# Altium PCB POT 10x8.PcbDoc (part 1 of 4) (continued)
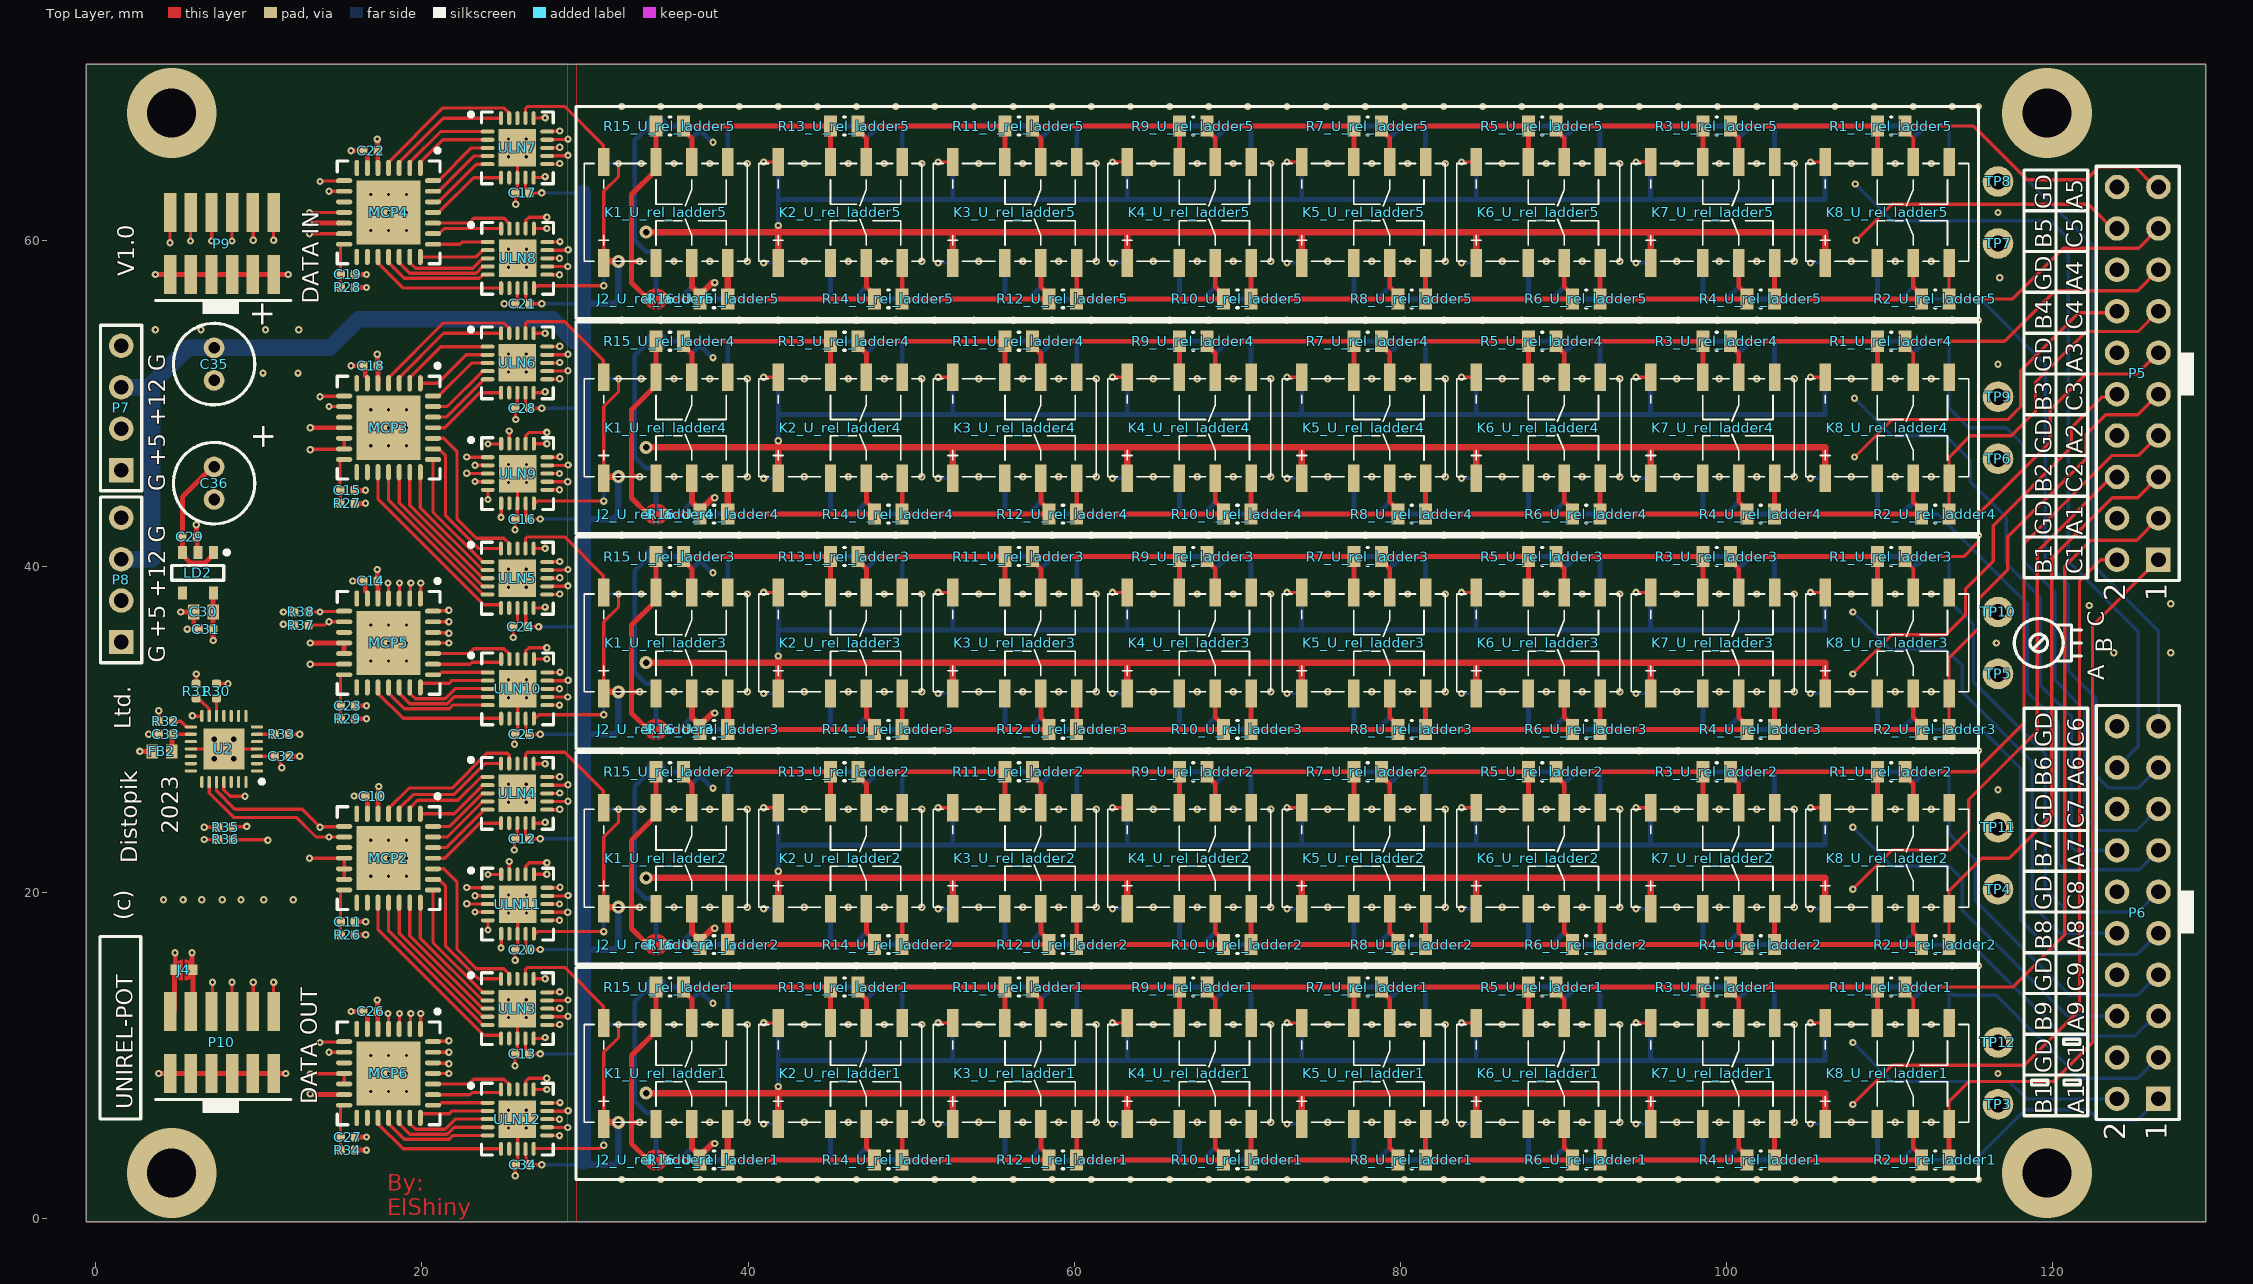
[diagram p0: Top Layer view]
## Classes and differential pairs
channel class rel_ladder: U_rel_ladder1 U_rel_ladder2 U_rel_ladder3 U_rel_ladder4 U_rel_ladder5 U_rel_ladder6 U_rel_ladder7 U_rel_ladder8 U_rel_ladder9 U_rel_ladder10
component class U_rel_ladder10: J2_U_rel_ladder10 K1_U_rel_ladder10 K2_U_rel_ladder10 K3_U_rel_ladder10 K4_U_rel_ladder10 K5_U_rel_ladder10 K6_U_rel_ladder10 K7_U_rel_ladder10 K8_U_rel_ladder10 R1_U_rel_ladder10 R2_U_rel_ladder10 R3_U_rel_ladder10 R4_U_rel_ladder10 R5_U_rel_ladder10 R6_U_rel_ladder10 R7_U_rel_ladder10 R8_U_rel_ladder10 R9_U_rel_ladder10 R10_U_rel_ladder10 R11_U_rel_ladder10 R12_U_rel_ladder10 R13_U_rel_ladder10 R14_U_rel_ladder10 R15_U_rel_ladder10 R16_U_rel_ladder10
component class U_rel_ladder9: J2_U_rel_ladder9 K1_U_rel_ladder9 K2_U_rel_ladder9 K3_U_rel_ladder9 K4_U_rel_ladder9 K5_U_rel_ladder9 K6_U_rel_ladder9 K7_U_rel_ladder9 K8_U_rel_ladder9 R1_U_rel_ladder9 R2_U_rel_ladder9 R3_U_rel_ladder9 R4_U_rel_ladder9 R5_U_rel_ladder9 R6_U_rel_ladder9 R7_U_rel_ladder9 R8_U_rel_ladder9 R9_U_rel_ladder9 R10_U_rel_ladder9 R11_U_rel_ladder9 R12_U_rel_ladder9 R13_U_rel_ladder9 R14_U_rel_ladder9 R15_U_rel_ladder9 R16_U_rel_ladder9
component class U_rel_ladder8: J2_U_rel_ladder8 K1_U_rel_ladder8 K2_U_rel_ladder8 K3_U_rel_ladder8 K4_U_rel_ladder8 K5_U_rel_ladder8 K6_U_rel_ladder8 K7_U_rel_ladder8 K8_U_rel_ladder8 R1_U_rel_ladder8 R2_U_rel_ladder8 R3_U_rel_ladder8 R4_U_rel_ladder8 R5_U_rel_ladder8 R6_U_rel_ladder8 R7_U_rel_ladder8 R8_U_rel_ladder8 R9_U_rel_ladder8 R10_U_rel_ladder8 R11_U_rel_ladder8 R12_U_rel_ladder8 R13_U_rel_ladder8 R14_U_rel_ladder8 R15_U_rel_ladder8 R16_U_rel_ladder8
component class U_rel_ladder7: J2_U_rel_ladder7 K1_U_rel_ladder7 K2_U_rel_ladder7 K3_U_rel_ladder7 K4_U_rel_ladder7 K5_U_rel_ladder7 K6_U_rel_ladder7 K7_U_rel_ladder7 K8_U_rel_ladder7 R1_U_rel_ladder7 R2_U_rel_ladder7 R3_U_rel_ladder7 R4_U_rel_ladder7 R5_U_rel_ladder7 R6_U_rel_ladder7 R7_U_rel_ladder7 R8_U_rel_ladder7 R9_U_rel_ladder7 R10_U_rel_ladder7 R11_U_rel_ladder7 R12_U_rel_ladder7 R13_U_rel_ladder7 R14_U_rel_ladder7 R15_U_rel_ladder7 R16_U_rel_ladder7
component class U_rel_ladder6: J2_U_rel_ladder6 K1_U_rel_ladder6 K2_U_rel_ladder6 K3_U_rel_ladder6 K4_U_rel_ladder6 K5_U_rel_ladder6 K6_U_rel_ladder6 K7_U_rel_ladder6 K8_U_rel_ladder6 R1_U_rel_ladder6 R2_U_rel_ladder6 R3_U_rel_ladder6 R4_U_rel_ladder6 R5_U_rel_ladder6 R6_U_rel_ladder6 R7_U_rel_ladder6 R8_U_rel_ladder6 R9_U_rel_ladder6 R10_U_rel_ladder6 R11_U_rel_ladder6 R12_U_rel_ladder6 R13_U_rel_ladder6 R14_U_rel_ladder6 R15_U_rel_ladder6 R16_U_rel_ladder6
component class U_rel_ladder5: J2_U_rel_ladder5 K1_U_rel_ladder5 K2_U_rel_ladder5 K3_U_rel_ladder5 K4_U_rel_ladder5 K5_U_rel_ladder5 K6_U_rel_ladder5 K7_U_rel_ladder5 K8_U_rel_ladder5 R1_U_rel_ladder5 R2_U_rel_ladder5 R3_U_rel_ladder5 R4_U_rel_ladder5 R5_U_rel_ladder5 R6_U_rel_ladder5 R7_U_rel_ladder5 R8_U_rel_ladder5 R9_U_rel_ladder5 R10_U_rel_ladder5 R11_U_rel_ladder5 R12_U_rel_ladder5 R13_U_rel_ladder5 R14_U_rel_ladder5 R15_U_rel_ladder5 R16_U_rel_ladder5
component class U_rel_ladder4: J2_U_rel_ladder4 K1_U_rel_ladder4 K2_U_rel_ladder4 K3_U_rel_ladder4 K4_U_rel_ladder4 K5_U_rel_ladder4 K6_U_rel_ladder4 K7_U_rel_ladder4 K8_U_rel_ladder4 R1_U_rel_ladder4 R2_U_rel_ladder4 R3_U_rel_ladder4 R4_U_rel_ladder4 R5_U_rel_ladder4 R6_U_rel_ladder4 R7_U_rel_ladder4 R8_U_rel_ladder4 R9_U_rel_ladder4 R10_U_rel_ladder4 R11_U_rel_ladder4 R12_U_rel_ladder4 R13_U_rel_ladder4 R14_U_rel_ladder4 R15_U_rel_ladder4 R16_U_rel_ladder4
component class U_rel_ladder3: J2_U_rel_ladder3 K1_U_rel_ladder3 K2_U_rel_ladder3 K3_U_rel_ladder3 K4_U_rel_ladder3 K5_U_rel_ladder3 K6_U_rel_ladder3 K7_U_rel_ladder3 K8_U_rel_ladder3 R1_U_rel_ladder3 R2_U_rel_ladder3 R3_U_rel_ladder3 R4_U_rel_ladder3 R5_U_rel_ladder3 R6_U_rel_ladder3 R7_U_rel_ladder3 R8_U_rel_ladder3 R9_U_rel_ladder3 R10_U_rel_ladder3 R11_U_rel_ladder3 R12_U_rel_ladder3 R13_U_rel_ladder3 R14_U_rel_ladder3 R15_U_rel_ladder3 R16_U_rel_ladder3
component class U_rel_ladder2: J2_U_rel_ladder2 K1_U_rel_ladder2 K2_U_rel_ladder2 K3_U_rel_ladder2 K4_U_rel_ladder2 K5_U_rel_ladder2 K6_U_rel_ladder2 K7_U_rel_ladder2 K8_U_rel_ladder2 R1_U_rel_ladder2 R2_U_rel_ladder2 R3_U_rel_ladder2 R4_U_rel_ladder2 R5_U_rel_ladder2 R6_U_rel_ladder2 R7_U_rel_ladder2 R8_U_rel_ladder2 R9_U_rel_ladder2 R10_U_rel_ladder2 R11_U_rel_ladder2 R12_U_rel_ladder2 R13_U_rel_ladder2 R14_U_rel_ladder2 R15_U_rel_ladder2 R16_U_rel_ladder2
component class U_rel_ladder1: J2_U_rel_ladder1 K1_U_rel_ladder1 K2_U_rel_ladder1 K3_U_rel_ladder1 K4_U_rel_ladder1 K5_U_rel_ladder1 K6_U_rel_ladder1 K7_U_rel_ladder1 K8_U_rel_ladder1 R1_U_rel_ladder1 R2_U_rel_ladder1 R3_U_rel_ladder1 R4_U_rel_ladder1 R5_U_rel_ladder1 R6_U_rel_ladder1 R7_U_rel_ladder1 R8_U_rel_ladder1 R9_U_rel_ladder1 R10_U_rel_ladder1 R11_U_rel_ladder1 R12_U_rel_ladder1 R13_U_rel_ladder1 R14_U_rel_ladder1 R15_U_rel_ladder1 R16_U_rel_ladder1
component class "POT 10x8": C10 C11 C12 C13 C14 C15 C16 C17 C18 C19 C20 C21 C22 C23 C24 C25 C26 C27 C28 C29 C30 C31 C32 C33 C34 C35 C36 FB2 J4 LD2 MCP2 MCP3 MCP4 MCP5 MCP6 P5 P6 P7 P8 P9 P10 R26 R27 R28 R29 R30 R31 R32 R33 R34 R35 R36 R37 R38 TP3 TP4 TP5 TP6 TP7 TP8 TP9 TP10 TP11 TP12 U2 ULN3 ULN4 ULN5 ULN6 ULN7 ULN8 ULN9 ULN10 ULN11 ULN12

## Components (designator, comment, footprint, x,y, rotation, side; value= is the part's Value field where it differs from the comment)
C10 "100n" R1005_0402i_L 16.95,25.9 r0 top
C11 "100n" R1005_0402i_L 15.45,18.2 r180 top
C12 "100n" R1005_0402i_L 26.15,23.3 r180 top
C13 "100n" R1005_0402i_L 26.15,10.1 r180 top
C14 "100n" R1005_0402i_L 16.85,39.1 r0 top
C15 "100n" R1005_0402i_L 15.431,44.661 r180 top
C16 "100n" R1005_0402i_L 26.15,42.9 r180 top
C17 "100n" R1005_0402i_L 26.15,62.9 r180 top
C18 "100n" R1005_0402i_L 16.85,52.3 r0 top
C19 "100n" R1005_0402i_L 15.45,57.9 r180 top
C20 "100n" R1005_0402i_L 26.15,16.5 r180 top
C21 "100n" R1005_0402i_L 26.15,56.1 r180 top
C22 "100n" R1005_0402i_L 16.85,65.5 r0 top
C23 "100n" R1005_0402i_L 15.45,31.45 r180 top
C24 "100n" R1005_0402i_L 26.05,36.3 r180 top
C25 "100n" R1005_0402i_L 26.15,29.7 r180 top
C26 "100n" R1005_0402i_L 16.85,12.7 r0 top
C27 "100n" R1005_0402i_L 15.45,5 r180 top
C28 "100n" R1005_0402i_L 26.15,49.7 r180 top
C29 "100n" R1005_0402i_L 5.75,41.8 r0 top
C30 "1u" C1608_0603I_L 6.6,37.2 r180 top
C31 "100n" R1005_0402i_L 6.75,36.15 r180 top
C32 "100n" R1005_0402i_L 11.4,28.35 r0 top
C33 "100n" R1005_0402i_L 4.3,29.7 r180 top
C34 "100n" R1005_0402i_L 26.176,3.302 r180 top
C35 "220uF" "C AlElko 5x11 R2" 7.25,52.4 r90 top
C36 "220uF" "C AlElko 5x11 R2" 7.25,45.1 r90 top
FB2 "FERITTE BEAD" R1608_0603I_L 4.05,28.65 r0 top
J2_U_rel_ladder1 "JMP_mini" solderJumper 34.35,3.6 r180 top (schematic designator J2)
J2_U_rel_ladder2 "JMP_mini" solderJumper 34.35,16.8 r180 top (schematic designator J2)
J2_U_rel_ladder3 "JMP_mini" solderJumper 34.35,30 r180 top (schematic designator J2)
J2_U_rel_ladder4 "JMP_mini" solderJumper 34.35,43.2 r180 top (schematic designator J2)
J2_U_rel_ladder5 "JMP_mini" solderJumper 34.35,56.4 r180 top (schematic designator J2)
J2_U_rel_ladder6 "JMP_mini" solderJumper 34.35,67 r0 bottom (schematic designator J2)
J2_U_rel_ladder7 "JMP_mini" solderJumper 34.35,53.8 r0 bottom (schematic designator J2)
J2_U_rel_ladder8 "JMP_mini" solderJumper 34.35,40.6 r0 bottom (schematic designator J2)
J2_U_rel_ladder9 "JMP_mini" solderJumper 34.35,27.4 r0 bottom (schematic designator J2)
J2_U_rel_ladder10 "JMP_mini" solderJumper 34.35,14.2 r0 bottom (schematic designator J2)
J4 "Terminator" solderJumper 5.4,15.25 r0 top
K1_U_rel_ladder1 "DPDT" "AXICOM IM-G Relay" 34.95,8.9 r0 top (schematic designator K1)
K1_U_rel_ladder2 "DPDT" "AXICOM IM-G Relay" 34.95,22.1 r0 top (schematic designator K1)
K1_U_rel_ladder3 "DPDT" "AXICOM IM-G Relay" 34.95,35.3 r0 top (schematic designator K1)
K1_U_rel_ladder4 "DPDT" "AXICOM IM-G Relay" 34.95,48.5 r0 top (schematic designator K1)
K1_U_rel_ladder5 "DPDT" "AXICOM IM-G Relay" 34.95,61.7 r0 top (schematic designator K1)
K1_U_rel_ladder6 "DPDT" "AXICOM IM-G Relay" 34.95,61.7 r0 bottom (schematic designator K1)
K1_U_rel_ladder7 "DPDT" "AXICOM IM-G Relay" 34.95,48.5 r0 bottom (schematic designator K1)
K1_U_rel_ladder8 "DPDT" "AXICOM IM-G Relay" 34.95,35.3 r0 bottom (schematic designator K1)
K1_U_rel_ladder9 "DPDT" "AXICOM IM-G Relay" 34.95,22.1 r0 bottom (schematic designator K1)
K1_U_rel_ladder10 "DPDT" "AXICOM IM-G Relay" 34.95,8.9 r0 bottom (schematic designator K1)
K2_U_rel_ladder1 "DPDT" "AXICOM IM-G Relay" 45.65,8.9 r0 top (schematic designator K2)
K2_U_rel_ladder2 "DPDT" "AXICOM IM-G Relay" 45.65,22.1 r0 top (schematic designator K2)
K2_U_rel_ladder3 "DPDT" "AXICOM IM-G Relay" 45.65,35.3 r0 top (schematic designator K2)
K2_U_rel_ladder4 "DPDT" "AXICOM IM-G Relay" 45.65,48.5 r0 top (schematic designator K2)
K2_U_rel_ladder5 "DPDT" "AXICOM IM-G Relay" 45.65,61.7 r0 top (schematic designator K2)
K2_U_rel_ladder6 "DPDT" "AXICOM IM-G Relay" 45.65,61.7 r0 bottom (schematic designator K2)
K2_U_rel_ladder7 "DPDT" "AXICOM IM-G Relay" 45.65,48.5 r0 bottom (schematic designator K2)
K2_U_rel_ladder8 "DPDT" "AXICOM IM-G Relay" 45.65,35.3 r0 bottom (schematic designator K2)
K2_U_rel_ladder9 "DPDT" "AXICOM IM-G Relay" 45.65,22.1 r0 bottom (schematic designator K2)
K2_U_rel_ladder10 "DPDT" "AXICOM IM-G Relay" 45.65,8.9 r0 bottom (schematic designator K2)
K3_U_rel_ladder1 "DPDT" "AXICOM IM-G Relay" 56.35,8.9 r0 top (schematic designator K3)
K3_U_rel_ladder2 "DPDT" "AXICOM IM-G Relay" 56.35,22.1 r0 top (schematic designator K3)
K3_U_rel_ladder3 "DPDT" "AXICOM IM-G Relay" 56.35,35.3 r0 top (schematic designator K3)
K3_U_rel_ladder4 "DPDT" "AXICOM IM-G Relay" 56.35,48.5 r0 top (schematic designator K3)
K3_U_rel_ladder5 "DPDT" "AXICOM IM-G Relay" 56.35,61.7 r0 top (schematic designator K3)
K3_U_rel_ladder6 "DPDT" "AXICOM IM-G Relay" 56.35,61.7 r0 bottom (schematic designator K3)
K3_U_rel_ladder7 "DPDT" "AXICOM IM-G Relay" 56.35,48.5 r0 bottom (schematic designator K3)
K3_U_rel_ladder8 "DPDT" "AXICOM IM-G Relay" 56.35,35.3 r0 bottom (schematic designator K3)
K3_U_rel_ladder9 "DPDT" "AXICOM IM-G Relay" 56.35,22.1 r0 bottom (schematic designator K3)
K3_U_rel_ladder10 "DPDT" "AXICOM IM-G Relay" 56.35,8.9 r0 bottom (schematic designator K3)
K4_U_rel_ladder1 "DPDT" "AXICOM IM-G Relay" 67.05,8.9 r0 top (schematic designator K4)
K4_U_rel_ladder2 "DPDT" "AXICOM IM-G Relay" 67.05,22.1 r0 top (schematic designator K4)
K4_U_rel_ladder3 "DPDT" "AXICOM IM-G Relay" 67.05,35.3 r0 top (schematic designator K4)
K4_U_rel_ladder4 "DPDT" "AXICOM IM-G Relay" 67.05,48.5 r0 top (schematic designator K4)
K4_U_rel_ladder5 "DPDT" "AXICOM IM-G Relay" 67.05,61.7 r0 top (schematic designator K4)
K4_U_rel_ladder6 "DPDT" "AXICOM IM-G Relay" 67.05,61.7 r0 bottom (schematic designator K4)
K4_U_rel_ladder7 "DPDT" "AXICOM IM-G Relay" 67.05,48.5 r0 bottom (schematic designator K4)
K4_U_rel_ladder8 "DPDT" "AXICOM IM-G Relay" 67.05,35.3 r0 bottom (schematic designator K4)
K4_U_rel_ladder9 "DPDT" "AXICOM IM-G Relay" 67.05,22.1 r0 bottom (schematic designator K4)
K4_U_rel_ladder10 "DPDT" "AXICOM IM-G Relay" 67.05,8.9 r0 bottom (schematic designator K4)
K5_U_rel_ladder1 "DPDT" "AXICOM IM-G Relay" 77.75,8.9 r0 top (schematic designator K5)
K5_U_rel_ladder2 "DPDT" "AXICOM IM-G Relay" 77.75,22.1 r0 top (schematic designator K5)
K5_U_rel_ladder3 "DPDT" "AXICOM IM-G Relay" 77.75,35.3 r0 top (schematic designator K5)
K5_U_rel_ladder4 "DPDT" "AXICOM IM-G Relay" 77.75,48.5 r0 top (schematic designator K5)
K5_U_rel_ladder5 "DPDT" "AXICOM IM-G Relay" 77.75,61.7 r0 top (schematic designator K5)
K5_U_rel_ladder6 "DPDT" "AXICOM IM-G Relay" 77.75,61.7 r0 bottom (schematic designator K5)
K5_U_rel_ladder7 "DPDT" "AXICOM IM-G Relay" 77.75,48.5 r0 bottom (schematic designator K5)
K5_U_rel_ladder8 "DPDT" "AXICOM IM-G Relay" 77.75,35.3 r0 bottom (schematic designator K5)
K5_U_rel_ladder9 "DPDT" "AXICOM IM-G Relay" 77.75,22.1 r0 bottom (schematic designator K5)
K5_U_rel_ladder10 "DPDT" "AXICOM IM-G Relay" 77.75,8.9 r0 bottom (schematic designator K5)
K6_U_rel_ladder1 "DPDT" "AXICOM IM-G Relay" 88.45,8.9 r0 top (schematic designator K6)
K6_U_rel_ladder2 "DPDT" "AXICOM IM-G Relay" 88.45,22.1 r0 top (schematic designator K6)
K6_U_rel_ladder3 "DPDT" "AXICOM IM-G Relay" 88.45,35.3 r0 top (schematic designator K6)
K6_U_rel_ladder4 "DPDT" "AXICOM IM-G Relay" 88.45,48.5 r0 top (schematic designator K6)
K6_U_rel_ladder5 "DPDT" "AXICOM IM-G Relay" 88.45,61.7 r0 top (schematic designator K6)
K6_U_rel_ladder6 "DPDT" "AXICOM IM-G Relay" 88.45,61.7 r0 bottom (schematic designator K6)
K6_U_rel_ladder7 "DPDT" "AXICOM IM-G Relay" 88.45,48.5 r0 bottom (schematic designator K6)
K6_U_rel_ladder8 "DPDT" "AXICOM IM-G Relay" 88.45,35.3 r0 bottom (schematic designator K6)
K6_U_rel_ladder9 "DPDT" "AXICOM IM-G Relay" 88.45,22.1 r0 bottom (schematic designator K6)
K6_U_rel_ladder10 "DPDT" "AXICOM IM-G Relay" 88.45,8.9 r0 bottom (schematic designator K6)
K7_U_rel_ladder1 "DPDT" "AXICOM IM-G Relay" 99.15,8.9 r0 top (schematic designator K7)
K7_U_rel_ladder2 "DPDT" "AXICOM IM-G Relay" 99.15,22.1 r0 top (schematic designator K7)
K7_U_rel_ladder3 "DPDT" "AXICOM IM-G Relay" 99.15,35.3 r0 top (schematic designator K7)
K7_U_rel_ladder4 "DPDT" "AXICOM IM-G Relay" 99.15,48.5 r0 top (schematic designator K7)
K7_U_rel_ladder5 "DPDT" "AXICOM IM-G Relay" 99.15,61.7 r0 top (schematic designator K7)
K7_U_rel_ladder6 "DPDT" "AXICOM IM-G Relay" 99.15,61.7 r0 bottom (schematic designator K7)
K7_U_rel_ladder7 "DPDT" "AXICOM IM-G Relay" 99.15,48.5 r0 bottom (schematic designator K7)
K7_U_rel_ladder8 "DPDT" "AXICOM IM-G Relay" 99.15,35.3 r0 bottom (schematic designator K7)
K7_U_rel_ladder9 "DPDT" "AXICOM IM-G Relay" 99.15,22.1 r0 bottom (schematic designator K7)
K7_U_rel_ladder10 "DPDT" "AXICOM IM-G Relay" 99.15,8.9 r0 bottom (schematic designator K7)
K8_U_rel_ladder1 "DPDT" "AXICOM IM-G Relay" 109.85,8.9 r0 top (schematic designator K8)
K8_U_rel_ladder2 "DPDT" "AXICOM IM-G Relay" 109.85,22.1 r0 top (schematic designator K8)
K8_U_rel_ladder3 "DPDT" "AXICOM IM-G Relay" 109.85,35.3 r0 top (schematic designator K8)
K8_U_rel_ladder4 "DPDT" "AXICOM IM-G Relay" 109.85,48.5 r0 top (schematic designator K8)
K8_U_rel_ladder5 "DPDT" "AXICOM IM-G Relay" 109.85,61.7 r0 top (schematic designator K8)
K8_U_rel_ladder6 "DPDT" "AXICOM IM-G Relay" 109.85,61.7 r0 bottom (schematic designator K8)
K8_U_rel_ladder7 "DPDT" "AXICOM IM-G Relay" 109.85,48.5 r0 bottom (schematic designator K8)
K8_U_rel_ladder8 "DPDT" "AXICOM IM-G Relay" 109.85,35.3 r0 bottom (schematic designator K8)
K8_U_rel_ladder9 "DPDT" "AXICOM IM-G Relay" 109.85,22.1 r0 bottom (schematic designator K8)
K8_U_rel_ladder10 "DPDT" "AXICOM IM-G Relay" 109.85,8.9 r0 bottom (schematic designator K8)
LD2 "NCP115 3.3V" TSOP95P280X110-6L 6.25,39.6 r270 top
MCP2 "MCP32017" "MCP23017 QFN" 17.95,22.1 r270 top
MCP3 "MCP32017" "MCP23017 QFN" 17.95,48.5 r270 top
MCP4 "MCP32017" "MCP23017 QFN" 17.95,61.7 r270 top
MCP5 "MCP32017" "MCP23017 QFN" 17.95,35.3 r270 top
MCP6 "MCP32017" "MCP23017 QFN" 17.95,8.9 r270 top
P5 "Header 10X2" HDR2X10 126.49,40.4 r90 top
P6 "Header 10X2" HDR2X10 126.49,7.34 r90 top
P7 "PWR" HDR1X4 1.55,45.9 r90 top
P8 "PWR" HDR1X4 1.55,35.36 r90 top
P9 "Input" "1.27mm SMD conn" 7.725,59.795 r180 top
P10 "Output" "1.27mm SMD conn" 7.725,10.805 r180 top
R1_U_rel_ladder1 "R/2" R2012_0805I_L 110.1,14.2 r180 top (schematic designator R1)
R1_U_rel_ladder2 "R/2" R2012_0805I_L 110.1,27.4 r180 top (schematic designator R1)
R1_U_rel_ladder3 "R/2" R2012_0805I_L 110.1,40.6 r180 top (schematic designator R1)
R1_U_rel_ladder4 "R/2" R2012_0805I_L 110.1,53.8 r180 top (schematic designator R1)
R1_U_rel_ladder5 "R/2" R2012_0805I_L 110.1,67 r180 top (schematic designator R1)
R1_U_rel_ladder6 "R/2" R2012_0805I_L 110.1,56.4 r180 bottom (schematic designator R1)
R1_U_rel_ladder7 "R/2" R2012_0805I_L 110.1,43.2 r180 bottom (schematic designator R1)
R1_U_rel_ladder8 "R/2" R2012_0805I_L 110.1,30 r180 bottom (schematic designator R1)
R1_U_rel_ladder9 "R/2" R2012_0805I_L 110.1,16.8 r180 bottom (schematic designator R1)
R1_U_rel_ladder10 "R/2" R2012_0805I_L 110.1,3.6 r180 bottom (schematic designator R1)
R2_U_rel_ladder1 "R/2" R2012_0805I_L 112.8,3.6 r180 top (schematic designator R2)
R2_U_rel_ladder2 "R/2" R2012_0805I_L 112.8,16.8 r180 top (schematic designator R2)
R2_U_rel_ladder3 "R/2" R2012_0805I_L 112.8,30 r180 top (schematic designator R2)
R2_U_rel_ladder4 "R/2" R2012_0805I_L 112.8,43.2 r180 top (schematic designator R2)
R2_U_rel_ladder5 "R/2" R2012_0805I_L 112.8,56.4 r180 top (schematic designator R2)
R2_U_rel_ladder6 "R/2" R2012_0805I_L 112.8,67 r180 bottom (schematic designator R2)
R2_U_rel_ladder7 "R/2" R2012_0805I_L 112.8,53.8 r180 bottom (schematic designator R2)
R2_U_rel_ladder8 "R/2" R2012_0805I_L 112.8,40.6 r180 bottom (schematic designator R2)
R2_U_rel_ladder9 "R/2" R2012_0805I_L 112.8,27.4 r180 bottom (schematic designator R2)
R2_U_rel_ladder10 "R/2" R2012_0805I_L 112.8,14.2 r180 bottom (schematic designator R2)
R3_U_rel_ladder1 "R/4" R2012_0805I_L 99.4,14.2 r180 top (schematic designator R3)
R3_U_rel_ladder2 "R/4" R2012_0805I_L 99.4,27.4 r180 top (schematic designator R3)
R3_U_rel_ladder3 "R/4" R2012_0805I_L 99.4,40.6 r180 top (schematic designator R3)
R3_U_rel_ladder4 "R/4" R2012_0805I_L 99.4,53.8 r180 top (schematic designator R3)
R3_U_rel_ladder5 "R/4" R2012_0805I_L 99.4,67 r180 top (schematic designator R3)
R3_U_rel_ladder6 "R/4" R2012_0805I_L 99.4,56.4 r180 bottom (schematic designator R3)
R3_U_rel_ladder7 "R/4" R2012_0805I_L 99.4,43.2 r180 bottom (schematic designator R3)
R3_U_rel_ladder8 "R/4" R2012_0805I_L 99.4,30 r180 bottom (schematic designator R3)
R3_U_rel_ladder9 "R/4" R2012_0805I_L 99.4,16.8 r180 bottom (schematic designator R3)
R3_U_rel_ladder10 "R/4" R2012_0805I_L 99.4,3.6 r180 bottom (schematic designator R3)
R4_U_rel_ladder1 "R/4" R2012_0805I_L 102.1,3.6 r180 top (schematic designator R4)
R4_U_rel_ladder2 "R/4" R2012_0805I_L 102.1,16.8 r180 top (schematic designator R4)
R4_U_rel_ladder3 "R/4" R2012_0805I_L 102.1,30 r180 top (schematic designator R4)
R4_U_rel_ladder4 "R/4" R2012_0805I_L 102.1,43.2 r180 top (schematic designator R4)
R4_U_rel_ladder5 "R/4" R2012_0805I_L 102.1,56.4 r180 top (schematic designator R4)
R4_U_rel_ladder6 "R/4" R2012_0805I_L 102.1,67 r180 bottom (schematic designator R4)
R4_U_rel_ladder7 "R/4" R2012_0805I_L 102.1,53.8 r180 bottom (schematic designator R4)
R4_U_rel_ladder8 "R/4" R2012_0805I_L 102.1,40.6 r180 bottom (schematic designator R4)
R4_U_rel_ladder9 "R/4" R2012_0805I_L 102.1,27.4 r180 bottom (schematic designator R4)
R4_U_rel_ladder10 "R/4" R2012_0805I_L 102.1,14.2 r180 bottom (schematic designator R4)
R5_U_rel_ladder1 "R/8" R2012_0805I_L 88.7,14.2 r180 top (schematic designator R5)
R5_U_rel_ladder2 "R/8" R2012_0805I_L 88.7,27.4 r180 top (schematic designator R5)
R5_U_rel_ladder3 "R/8" R2012_0805I_L 88.7,40.6 r180 top (schematic designator R5)
R5_U_rel_ladder4 "R/8" R2012_0805I_L 88.7,53.8 r180 top (schematic designator R5)
R5_U_rel_ladder5 "R/8" R2012_0805I_L 88.7,67 r180 top (schematic designator R5)
R5_U_rel_ladder6 "R/8" R2012_0805I_L 88.7,56.4 r180 bottom (schematic designator R5)
R5_U_rel_ladder7 "R/8" R2012_0805I_L 88.7,43.2 r180 bottom (schematic designator R5)
R5_U_rel_ladder8 "R/8" R2012_0805I_L 88.7,30 r180 bottom (schematic designator R5)
R5_U_rel_ladder9 "R/8" R2012_0805I_L 88.7,16.8 r180 bottom (schematic designator R5)
R5_U_rel_ladder10 "R/8" R2012_0805I_L 88.7,3.6 r180 bottom (schematic designator R5)
R6_U_rel_ladder1 "R/8" R2012_0805I_L 91.4,3.6 r180 top (schematic designator R6)
R6_U_rel_ladder2 "R/8" R2012_0805I_L 91.4,16.8 r180 top (schematic designator R6)
R6_U_rel_ladder3 "R/8" R2012_0805I_L 91.4,30 r180 top (schematic designator R6)
R6_U_rel_ladder4 "R/8" R2012_0805I_L 91.4,43.2 r180 top (schematic designator R6)
R6_U_rel_ladder5 "R/8" R2012_0805I_L 91.4,56.4 r180 top (schematic designator R6)
R6_U_rel_ladder6 "R/8" R2012_0805I_L 91.4,67 r180 bottom (schematic designator R6)
R6_U_rel_ladder7 "R/8" R2012_0805I_L 91.4,53.8 r180 bottom (schematic designator R6)
R6_U_rel_ladder8 "R/8" R2012_0805I_L 91.4,40.6 r180 bottom (schematic designator R6)
R6_U_rel_ladder9 "R/8" R2012_0805I_L 91.4,27.4 r180 bottom (schematic designator R6)
R6_U_rel_ladder10 "R/8" R2012_0805I_L 91.4,14.2 r180 bottom (schematic designator R6)
R7_U_rel_ladder1 "R/16" R2012_0805I_L 78,14.2 r180 top (schematic designator R7)
R7_U_rel_ladder2 "R/16" R2012_0805I_L 78,27.4 r180 top (schematic designator R7)
R7_U_rel_ladder3 "R/16" R2012_0805I_L 78,40.6 r180 top (schematic designator R7)
R7_U_rel_ladder4 "R/16" R2012_0805I_L 78,53.8 r180 top (schematic designator R7)
R7_U_rel_ladder5 "R/16" R2012_0805I_L 78,67 r180 top (schematic designator R7)
R7_U_rel_ladder6 "R/16" R2012_0805I_L 78,56.4 r180 bottom (schematic designator R7)
R7_U_rel_ladder7 "R/16" R2012_0805I_L 78,43.2 r180 bottom (schematic designator R7)
R7_U_rel_ladder8 "R/16" R2012_0805I_L 78,30 r180 bottom (schematic designator R7)
R7_U_rel_ladder9 "R/16" R2012_0805I_L 78,16.8 r180 bottom (schematic designator R7)
R7_U_rel_ladder10 "R/16" R2012_0805I_L 78,3.6 r180 bottom (schematic designator R7)
R8_U_rel_ladder1 "R/16" R2012_0805I_L 80.7,3.6 r180 top (schematic designator R8)
R8_U_rel_ladder2 "R/16" R2012_0805I_L 80.7,16.8 r180 top (schematic designator R8)
R8_U_rel_ladder3 "R/16" R2012_0805I_L 80.7,30 r180 top (schematic designator R8)
R8_U_rel_ladder4 "R/16" R2012_0805I_L 80.7,43.2 r180 top (schematic designator R8)
R8_U_rel_ladder5 "R/16" R2012_0805I_L 80.7,56.4 r180 top (schematic designator R8)
R8_U_rel_ladder6 "R/16" R2012_0805I_L 80.7,67 r180 bottom (schematic designator R8)
R8_U_rel_ladder7 "R/16" R2012_0805I_L 80.7,53.8 r180 bottom (schematic designator R8)
R8_U_rel_ladder8 "R/16" R2012_0805I_L 80.7,40.6 r180 bottom (schematic designator R8)
R8_U_rel_ladder9 "R/16" R2012_0805I_L 80.7,27.4 r180 bottom (schematic designator R8)
R8_U_rel_ladder10 "R/16" R2012_0805I_L 80.7,14.2 r180 bottom (schematic designator R8)
R9_U_rel_ladder1 "R/32" R2012_0805I_L 67.3,14.2 r180 top (schematic designator R9)
R9_U_rel_ladder2 "R/32" R2012_0805I_L 67.3,27.4 r180 top (schematic designator R9)
R9_U_rel_ladder3 "R/32" R2012_0805I_L 67.3,40.6 r180 top (schematic designator R9)
R9_U_rel_ladder4 "R/32" R2012_0805I_L 67.3,53.8 r180 top (schematic designator R9)
R9_U_rel_ladder5 "R/32" R2012_0805I_L 67.3,67 r180 top (schematic designator R9)
R9_U_rel_ladder6 "R/32" R2012_0805I_L 67.3,56.4 r180 bottom (schematic designator R9)
R9_U_rel_ladder7 "R/32" R2012_0805I_L 67.3,43.2 r180 bottom (schematic designator R9)
R9_U_rel_ladder8 "R/32" R2012_0805I_L 67.3,30 r180 bottom (schematic designator R9)
R9_U_rel_ladder9 "R/32" R2012_0805I_L 67.3,16.8 r180 bottom (schematic designator R9)
R9_U_rel_ladder10 "R/32" R2012_0805I_L 67.3,3.6 r180 bottom (schematic designator R9)
R10_U_rel_ladder1 "R/32" R2012_0805I_L 70,3.6 r180 top (schematic designator R10)
R10_U_rel_ladder2 "R/32" R2012_0805I_L 70,16.8 r180 top (schematic designator R10)
R10_U_rel_ladder3 "R/32" R2012_0805I_L 70,30 r180 top (schematic designator R10)
R10_U_rel_ladder4 "R/32" R2012_0805I_L 70,43.2 r180 top (schematic designator R10)
R10_U_rel_ladder5 "R/32" R2012_0805I_L 70,56.4 r180 top (schematic designator R10)
R10_U_rel_ladder6 "R/32" R2012_0805I_L 70,67 r180 bottom (schematic designator R10)
R10_U_rel_ladder7 "R/32" R2012_0805I_L 70,53.8 r180 bottom (schematic designator R10)
R10_U_rel_ladder8 "R/32" R2012_0805I_L 70,40.6 r180 bottom (schematic designator R10)
R10_U_rel_ladder9 "R/32" R2012_0805I_L 70,27.4 r180 bottom (schematic designator R10)
R10_U_rel_ladder10 "R/32" R2012_0805I_L 70,14.2 r180 bottom (schematic designator R10)
R11_U_rel_ladder1 "R/64" R2012_0805I_L 56.6,14.2 r180 top (schematic designator R11)
R11_U_rel_ladder2 "R/64" R2012_0805I_L 56.6,27.4 r180 top (schematic designator R11)
R11_U_rel_ladder3 "R/64" R2012_0805I_L 56.6,40.6 r180 top (schematic designator R11)
R11_U_rel_ladder4 "R/64" R2012_0805I_L 56.6,53.8 r180 top (schematic designator R11)
R11_U_rel_ladder5 "R/64" R2012_0805I_L 56.6,67 r180 top (schematic designator R11)
R11_U_rel_ladder6 "R/64" R2012_0805I_L 56.6,56.4 r180 bottom (schematic designator R11)
R11_U_rel_ladder7 "R/64" R2012_0805I_L 56.6,43.2 r180 bottom (schematic designator R11)
R11_U_rel_ladder8 "R/64" R2012_0805I_L 56.6,30 r180 bottom (schematic designator R11)
R11_U_rel_ladder9 "R/64" R2012_0805I_L 56.6,16.8 r180 bottom (schematic designator R11)
R11_U_rel_ladder10 "R/64" R2012_0805I_L 56.6,3.6 r180 bottom (schematic designator R11)
R12_U_rel_ladder1 "R/64" R2012_0805I_L 59.3,3.6 r180 top (schematic designator R12)
R12_U_rel_ladder2 "R/64" R2012_0805I_L 59.3,16.8 r180 top (schematic designator R12)
R12_U_rel_ladder3 "R/64" R2012_0805I_L 59.3,30 r180 top (schematic designator R12)
R12_U_rel_ladder4 "R/64" R2012_0805I_L 59.3,43.2 r180 top (schematic designator R12)
R12_U_rel_ladder5 "R/64" R2012_0805I_L 59.3,56.4 r180 top (schematic designator R12)
R12_U_rel_ladder6 "R/64" R2012_0805I_L 59.3,67 r180 bottom (schematic designator R12)
R12_U_rel_ladder7 "R/64" R2012_0805I_L 59.3,53.8 r180 bottom (schematic designator R12)
R12_U_rel_ladder8 "R/64" R2012_0805I_L 59.3,40.6 r180 bottom (schematic designator R12)
R12_U_rel_ladder9 "R/64" R2012_0805I_L 59.3,27.4 r180 bottom (schematic designator R12)
R12_U_rel_ladder10 "R/64" R2012_0805I_L 59.3,14.2 r180 bottom (schematic designator R12)
R13_U_rel_ladder1 "R/128" R2012_0805I_L 45.9,14.2 r180 top (schematic designator R13)
R13_U_rel_ladder2 "R/128" R2012_0805I_L 45.9,27.4 r180 top (schematic designator R13)
R13_U_rel_ladder3 "R/128" R2012_0805I_L 45.9,40.6 r180 top (schematic designator R13)
R13_U_rel_ladder4 "R/128" R2012_0805I_L 45.9,53.8 r180 top (schematic designator R13)
R13_U_rel_ladder5 "R/128" R2012_0805I_L 45.9,67 r180 top (schematic designator R13)
R13_U_rel_ladder6 "R/128" R2012_0805I_L 45.9,56.4 r180 bottom (schematic designator R13)
R13_U_rel_ladder7 "R/128" R2012_0805I_L 45.9,43.2 r180 bottom (schematic designator R13)
R13_U_rel_ladder8 "R/128" R2012_0805I_L 45.9,30 r180 bottom (schematic designator R13)
R13_U_rel_ladder9 "R/128" R2012_0805I_L 45.9,16.8 r180 bottom (schematic designator R13)
R13_U_rel_ladder10 "R/128" R2012_0805I_L 45.9,3.6 r180 bottom (schematic designator R13)
R14_U_rel_ladder1 "R/128" R2012_0805I_L 48.6,3.6 r180 top (schematic designator R14)
R14_U_rel_ladder2 "R/128" R2012_0805I_L 48.6,16.8 r180 top (schematic designator R14)
R14_U_rel_ladder3 "R/128" R2012_0805I_L 48.6,30 r180 top (schematic designator R14)
R14_U_rel_ladder4 "R/128" R2012_0805I_L 48.6,43.2 r180 top (schematic designator R14)
R14_U_rel_ladder5 "R/128" R2012_0805I_L 48.6,56.4 r180 top (schematic designator R14)
R14_U_rel_ladder6 "R/128" R2012_0805I_L 48.6,67 r180 bottom (schematic designator R14)
R14_U_rel_ladder7 "R/128" R2012_0805I_L 48.6,53.8 r180 bottom (schematic designator R14)
R14_U_rel_ladder8 "R/128" R2012_0805I_L 48.6,40.6 r180 bottom (schematic designator R14)
R14_U_rel_ladder9 "R/128" R2012_0805I_L 48.6,27.4 r180 bottom (schematic designator R14)
R14_U_rel_ladder10 "R/128" R2012_0805I_L 48.6,14.2 r180 bottom (schematic designator R14)
R15_U_rel_ladder1 "R/256" R2012_0805I_L 35.2,14.2 r180 top (schematic designator R15)
R15_U_rel_ladder2 "R/256" R2012_0805I_L 35.2,27.4 r180 top (schematic designator R15)
R15_U_rel_ladder3 "R/256" R2012_0805I_L 35.2,40.6 r180 top (schematic designator R15)
R15_U_rel_ladder4 "R/256" R2012_0805I_L 35.2,53.8 r180 top (schematic designator R15)
R15_U_rel_ladder5 "R/256" R2012_0805I_L 35.2,67 r180 top (schematic designator R15)
R15_U_rel_ladder6 "R/256" R2012_0805I_L 35.2,56.4 r180 bottom (schematic designator R15)
R15_U_rel_ladder7 "R/256" R2012_0805I_L 35.2,43.2 r180 bottom (schematic designator R15)
R15_U_rel_ladder8 "R/256" R2012_0805I_L 35.2,30 r180 bottom (schematic designator R15)
R15_U_rel_ladder9 "R/256" R2012_0805I_L 35.2,16.8 r180 bottom (schematic designator R15)
R15_U_rel_ladder10 "R/256" R2012_0805I_L 35.2,3.6 r180 bottom (schematic designator R15)
R16_U_rel_ladder1 "R/256" R2012_0805I_L 37.9,3.6 r180 top (schematic designator R16)
R16_U_rel_ladder2 "R/256" R2012_0805I_L 37.9,16.8 r180 top (schematic designator R16)
R16_U_rel_ladder3 "R/256" R2012_0805I_L 37.9,30 r180 top (schematic designator R16)
R16_U_rel_ladder4 "R/256" R2012_0805I_L 37.9,43.2 r180 top (schematic designator R16)
R16_U_rel_ladder5 "R/256" R2012_0805I_L 37.9,56.4 r180 top (schematic designator R16)
R16_U_rel_ladder6 "R/256" R2012_0805I_L 37.9,67 r180 bottom (schematic designator R16)
R16_U_rel_ladder7 "R/256" R2012_0805I_L 37.9,53.8 r180 bottom (schematic designator R16)
R16_U_rel_ladder8 "R/256" R2012_0805I_L 37.9,40.6 r180 bottom (schematic designator R16)
R16_U_rel_ladder9 "R/256" R2012_0805I_L 37.9,27.4 r180 bottom (schematic designator R16)
R16_U_rel_ladder10 "R/256" R2012_0805I_L 37.9,14.2 r180 bottom (schematic designator R16)
R26 "100k" R1005_0402i_L 15.45,17.4 r180 top
R27 "100k" R1005_0402i_L 15.431,43.861 r180 top
R28 "100k" R1005_0402i_L 15.45,57.1 r180 top
R29 "100k" R1005_0402i_L 15.45,30.65 r180 top
R30 "500" R1005_0402i_L 7.4,32.35 r270 top
R31 "500" R1005_0402i_L 6.15,32.35 r270 top
R32 "500" R1005_0402i_L 4.3,30.5 r0 top
R33 "500" R1005_0402i_L 11.4,29.7 r180 top
R34 "100k" R1005_0402i_L 15.45,4.2 r180 top
R35 "100k" R1005_0402i_L 7.95,24 r0 top
R36 "100k" R1005_0402i_L 7.95,23.25 r0 top
R37 "10k" R1005_0402i_L 12.6,36.4 r0 top
R38 "10k" R1005_0402i_L 12.6,37.2 r0 top
TP3 "PAD" PAD_CIRC_HOLE 116.65,7 r90 top
TP4 "PAD" PAD_CIRC_HOLE 116.65,20.2 r180 top
TP5 "PAD" PAD_CIRC_HOLE 116.65,33.4 r180 top
TP6 "PAD" PAD_CIRC_HOLE 116.65,46.6 r180 top
TP7 "PAD" PAD_CIRC_HOLE 116.65,59.8 r90 top
TP8 "PAD" PAD_CIRC_HOLE 116.65,63.6 r90 top
TP9 "PAD" PAD_CIRC_HOLE 116.65,50.4 r180 top
TP10 "PAD" PAD_CIRC_HOLE 116.65,37.2 r180 top
TP11 "PAD" PAD_CIRC_HOLE 116.65,24 r180 top
TP12 "PAD" PAD_CIRC_HOLE 116.65,10.8 r90 top
U2 "ATtiny88-MMU" 28M1_N 7.85,28.8 r180 top
ULN3 "ULN2803" QFN127P600-8N 25.85,12.875 r0 top
ULN4 "ULN2803" QFN127P600-8N 25.85,26.077 r0 top
ULN5 "ULN2803" QFN127P600-8N 25.85,39.268 r0 top
ULN6 "ULN2803" QFN127P600-8N 25.85,52.47 r0 top
ULN7 "ULN2803" QFN127P600-8N 25.85,65.659 r0 top
ULN8 "ULN2803" QFN127P600-8N 25.859,58.888 r0 top
ULN9 "ULN2803" QFN127P600-8N 25.859,45.688 r0 top
ULN10 "ULN2803" QFN127P600-8N 25.859,32.488 r0 top
ULN11 "ULN2803" QFN127P600-8N 25.859,19.288 r0 top
ULN12 "ULN2803" QFN127P600-8N 25.85,6.1 r0 top

## Footprints (in the part's own frame and the unit in brackets; to place one, negate y for a bottom-side part, rotate by r counter-clockwise, add the part's x,y. Pads: shape width x height; smd on the part's side, far side on the other; paste and mask are expansions set on the pad)
"1.27mm SMD conn" [mm]
  rect 0.76x2.4 smd: 1(3.175,1.905) 2(3.175,-1.905) 3(1.905,1.905) 4(1.905,-1.905) 5(0.635,1.905) 6(0.635,-1.905) 7(-0.635,1.905) 8(-0.635,-1.905) 9(-1.905,1.905) 10(-1.905,-1.905) 11(-3.175,1.905) 12(-3.175,-1.905)
28M1_N [mm]
  oval 0.75x0.2 smd: 1(-2.025,1.35) 2(-2.025,0.9) 3(-2.025,0.45) 4(-2.025,0) 5(-2.025,-0.45) 6(-2.025,-0.9) 7(-2.025,-1.35) 15(2.025,-1.35) 16(2.025,-0.9) 17(2.025,-0.45) 18(2.025,0) 19(2.025,0.45) 20(2.025,0.9) 21(2.025,1.35)
  oval 0.2x0.75 smd: 8(-1.35,-2.025) 9(-0.9,-2.025) 10(-0.45,-2.025) 11(0,-2.025) 12(0.45,-2.025) 13(0.9,-2.025) 14(1.35,-2.025) 22(1.35,2.025) 23(0.9,2.025) 24(0.45,2.025) 25(0,2.025) 26(-0.45,2.025) 27(-0.9,2.025) 28(-1.35,2.025)
  rect 2.5x2.5 smd: 29(0,0)
  silkscreen extent -2.45,1.88 -2.2,2.12, body extent -2.02,-2.02 2.02,2.02, height 1
"AXICOM IM-G Relay" [mm] "TE CONNECTIVITY AXICOM IM-G (Gull wings) Relay SMD"
  rect 0.7x1.7 smd: 1(-3.8,-3.1) 2(-0.6,-3.1) 3(1.6,-3.1) 4(3.8,-3.1) 5(3.8,3.1) 6(1.6,3.1) 7(-0.6,3.1) 8(-3.8,3.1)
  silkscreen extent -5,-3 5,3
C1608_0603I_L [mm] "Chip Capacitor, 2-Leads, Body 1.57x0.85mm, IPC High Density"
  rect 0.72x0.9 smd: 1(-0.6,0) 2(0.6,0)
  body extent -0.83,-0.48 0.82,0.48, height 0.95
"C AlElko 5x11 R2" [mm]
  round 1.27 hole 0.711: 1(1,0) 2(-1,0)
  silkscreen extent -2.5,-2.5 2.5,2.5, body extent -2.5,-2.5 2.5,2.5, height 11.01
HDR1X4 [mm] "Connector; Header; 4 Position"
  rect 1.5x1.5 hole 0.9: 1(0,0)
  round 1.5 hole 0.9: 2(2.54,0) 3(5.08,0) 4(7.62,0)
  silkscreen extent -1.27,-1.27 8.89,1.27
HDR2X10 [mm] "Connector; Header; 10x2 Position"
  rect 1.5x1.5 hole 0.9: 1(0,0)
  round 1.5 hole 0.9: 2(0,2.54) 3(2.54,0) 4(2.54,2.54) 5(5.08,0) 6(5.08,2.54) 7(7.62,0) 8(7.62,2.54) 9(10.16,0) 10(10.16,2.54) 11(12.7,0) 12(12.7,2.54) 13(15.24,0) 14(15.24,2.54) 15(17.78,0) 16(17.78,2.54) 17(20.32,0) 18(20.32,2.54) 19(22.86,0) 20(22.86,2.54)
  silkscreen extent -1.27,-1.27 24.13,3.81
"MCP23017 QFN" [mm] "QFN, 28-Leads, Body 6,00x6,00mm, Pitch 0,65mm, Thermal Pad 3,93x3,93mm, IPC High Density"
  oval 1x0.3 smd: 1(-2.725,1.95) 2(-2.725,1.3) 3(-2.725,0.65) 4(-2.725,0) 5(-2.725,-0.65) 6(-2.725,-1.3) 7(-2.725,-1.95) 15(2.725,-1.95) 16(2.725,-1.3) 17(2.725,-0.65) 18(2.725,0) 19(2.725,0.65) 20(2.725,1.3) 21(2.725,1.95)
  oval 0.3x1 smd: 8(-1.95,-2.725) 9(-1.3,-2.725) 10(-0.65,-2.725) 11(0,-2.725) 12(0.65,-2.725) 13(1.3,-2.725) 14(1.95,-2.725) 22(1.95,2.725) 23(1.3,2.725) 24(0.65,2.725) 25(0,2.725) 26(-0.65,2.725) 27(-1.3,2.725) 28(-1.95,2.725)
  rect 3.93x3.93 smd: 29(0,0)
  silkscreen extent -3.92,-3.15 3.15,3.15, body extent -3,-3 3,3, height 0.9
PAD_CIRC_HOLE [mil]
  round 74 hole 39.4: 1(0,0)
QFN127P600-8N [mm]
  oval 0.85x0.25 smd: 1(-1.825,1) 2(-1.825,0.5) 3(-1.825,0) 4(-1.825,-0.5) 5(-1.825,-1) 11(1.825,-1) 12(1.825,-0.5) 13(1.825,0) 14(1.825,0.5) 15(1.825,1)
  oval 0.25x0.85 smd: 6(-1,-1.825) 7(-0.5,-1.825) 8(0,-1.825) 9(0.5,-1.825) 10(1,-1.825) 16(1,1.825) 17(0.5,1.825) 18(0,1.825) 19(-0.5,1.825) 20(-1,1.825)
  rect 2.3x2.3 smd: 21(0,0)
  silkscreen extent -2.97,-2.2 2.2,2.2, body extent -2.05,-2.05 2.05,2.05, height 0.8
R1005_0402i_L [mm] "Resistor, Chip; 1.00 mm L X 0.50 mm W X 0.40 mm H body"
  rrect50% 0.52x0.56 smd: 1(-0.44,0) 2(0.44,0)
  body extent -0.5,-0.25 0.5,0.25, height 0.4
R1608_0603I_L [mm] "Chip Resistor, 2-Leads, Body 1.57x0.85mm, IPC High Density"
  rect 0.7x0.85 smd: 1(-0.6,0) 2(0.6,0)
  body extent -0.82,-0.48 0.82,0.48, height 0.5
R2012_0805I_L [mm] "Chip Resistor, 2-Leads, Body 2.05x1.25mm, IPC High Density"
  rect 0.8x1.3 smd: 1(-0.85,0) 2(0.85,0)
  silkscreen extent -0.05,-0.55 0.05,0.55, body extent -1.1,-0.7 1.1,0.7, height 0.8
solderJumper [mil]
  rect 25x25 smd: 1(20,0) 2(-20,0)
  Top Layer region: 2.51,25 12.08,23.1 20.19,17.68 25.61,9.57 27.51,0 27.51,0 25.61,-9.57 20.19,-17.68 12.08,-23.1 2.51,-25 2.51,-25
  Top Layer region: -2.51,25 -12.08,23.1 -20.19,17.68 -25.61,9.57 -27.51,0 -27.51,0 -25.61,-9.57 -20.19,-17.68 -12.08,-23.1 -2.51,-25 -2.51,-25
TSOP95P280X110-6L [mm]
  rect 0.8x0.55 smd: 1(-1.25,0.95) 2(-1.25,0) 3(-1.25,-0.95) 4(1.25,-0.95) 5(1.25,0.95)
  silkscreen extent -1.37,-1.6 0.45,1.9, body extent -1.38,-1.6 1.38,1.6, height 1.1